# Altium PCB UCL-CPUM-H7-1.PcbDoc (part 2 of 3)
Units mm, origin at the board's own origin, x right, y up, seen from the top; angles counter-clockwise.
Board outline 42 x 53 mm, 6 copper layers (Top Layer, L2_GND, L3_VCC, L4_Sig, L5_GND, Bottom Layer), stack 1.657 mm thick; 102 components, 182 nets, 509 pads, 278 vias.
Unrouted connection lines stored in the file: 34.
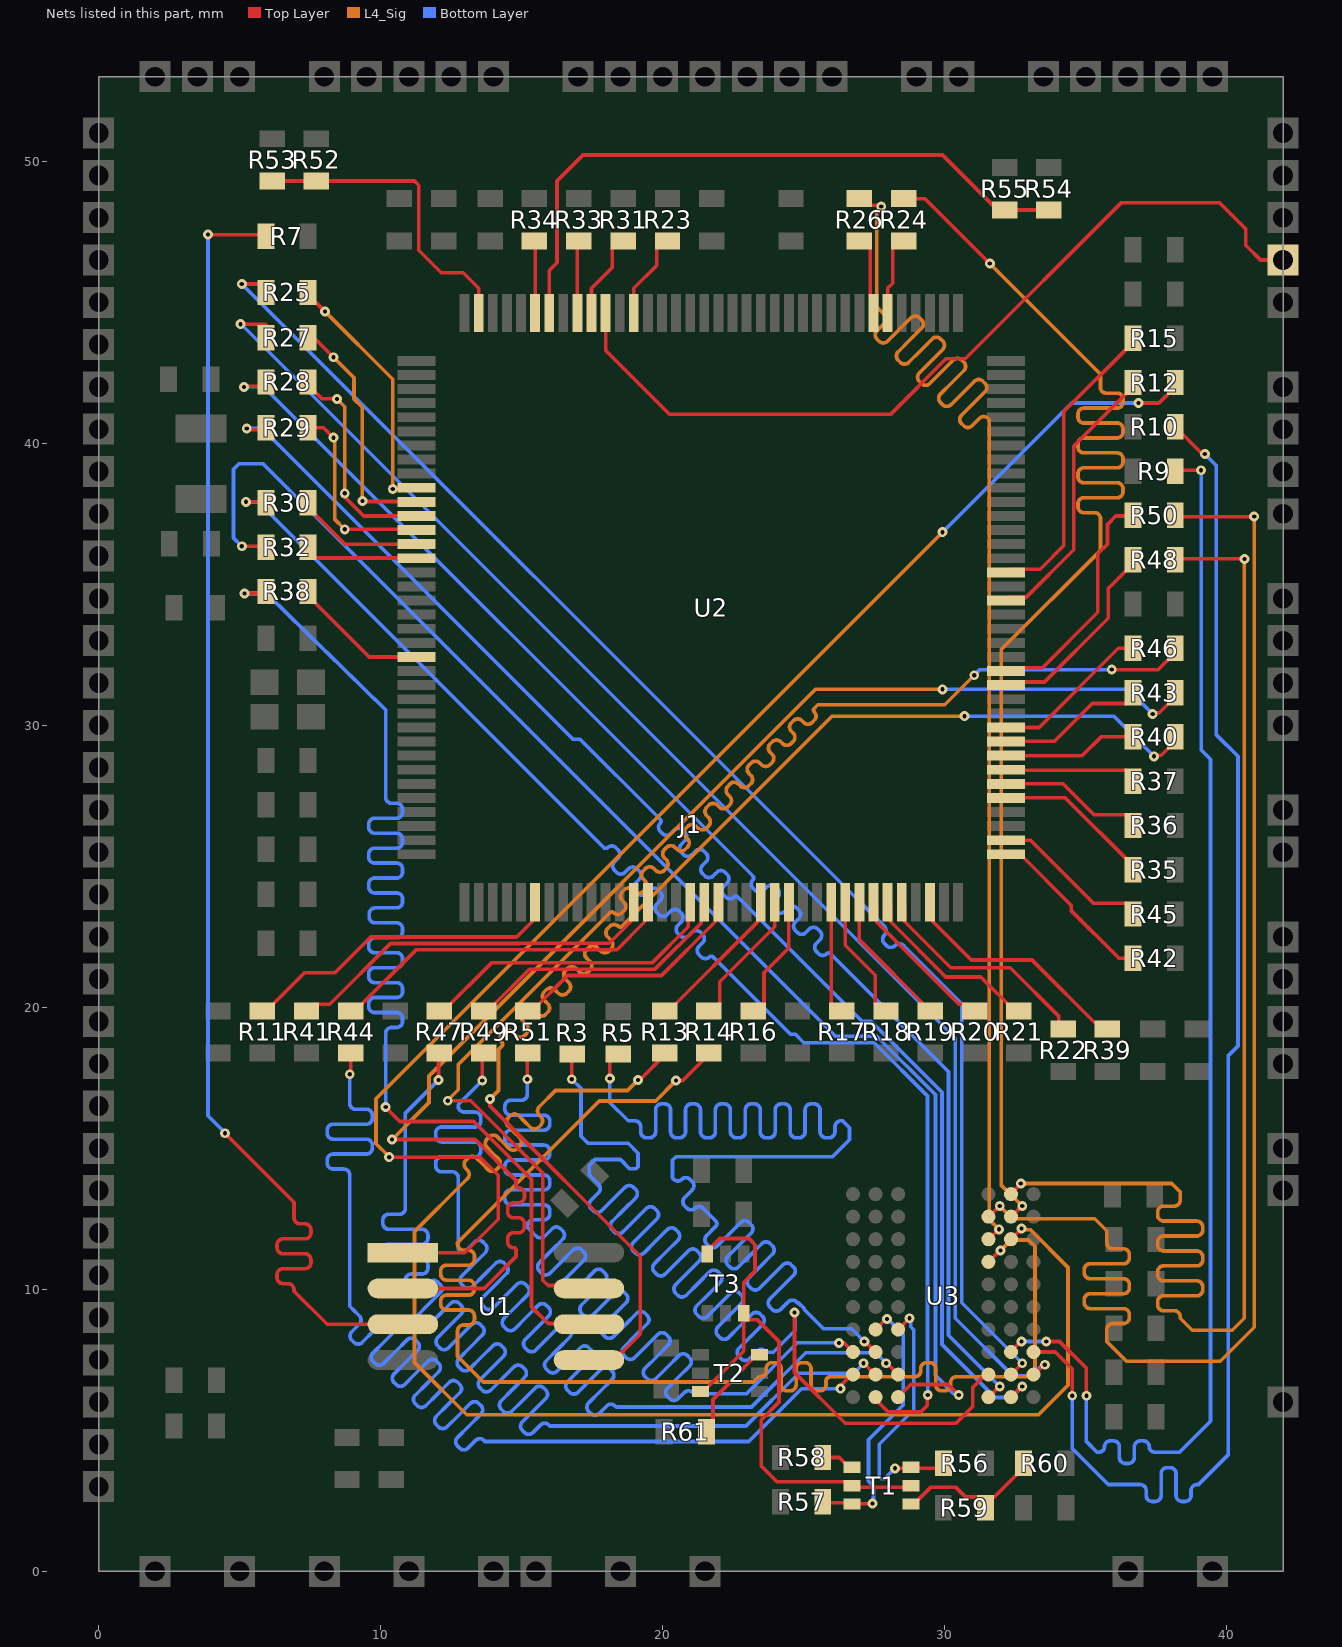
[diagram p6: the nets of this part, all layers, seen from the top]

## Via types
v1: diameter 0.35, hole 0.15, Top Layer to Bottom Layer, 276 vias
v2: diameter 0.8, hole 0.4, Top Layer to Bottom Layer, 2 vias

## Nets (pads, with @x,y where several pads share a name; then routed paths per layer and width w, separated by ;. In a path a pad name is that pad's centre, name@x,y a point inside that pad or via, vN(x,y) a via of type N, cw(c..) or ccw(c..) an arc to the next point about the centre after c; other vN are vias at no path point) (continued)
NetR11_2: R11.2 U2.42 | length 11.6
  Top Layer w0.13: R11.2@5.799,19.875 5.949,19.875 7.299,21.225 8.375,21.225 9.645,22.495 14.794,22.495 14.799,22.5 14.833,22.5 15.365,23.032 15.365,23.615 U2.42@15.475,23.725
NetR12_1: R12.1 U2.91 | length 10
  Top Layer w0.13: U2.91@32.175,34.425 32.15,34.425 32.26,34.535 32.885,34.535 34.575,36.225 34.575,39.906 36.675,42.006 R12.1@36.675,42.156
NetR13_2: R13.2 U2.58 | length 5.3
  Top Layer w0.13: R13.2@20.068,19.875 20.218,19.875 23.365,23.022 23.365,23.615 U2.58@23.475,23.725
NetR14_2: R14.2 U2.59 | length 4.9
  Top Layer w0.13: R14.2@21.638,19.875 21.788,19.875 22.023,20.11 22.023,20.903 23.975,22.855 U2.59@23.975,23.725
NetR15_1: R15.1 U2.93 | length 10.8
  Top Layer w0.13: U2.93@32.175,35.425 32.285,35.535 33.385,35.535 34.225,36.375 34.225,41.126 36.675,43.576 R15.1@36.675,43.726
NetR16_2: R16.2 U2.60 | length 4.5
  Top Layer w0.13: R16.2@23.208,19.875 23.358,19.875 23.593,20.11 23.593,21.227 24.475,22.108 U2.60@24.475,23.725
NetR17_2: R17.2 U2.63 | length 4.1
  Top Layer w0.13: U2.63@25.975,23.725 25.975,20.11 26.26,19.825 26.325,19.825 26.349,19.849 R17.2@26.349,19.875
NetR18_2: R18.2 U2.64 | length 4.5
  Top Layer w0.13: U2.64@26.475,23.725 26.475,22.197 27.534,21.138 27.534,20.11 27.769,19.875 R18.2@27.919,19.875
NetR19_2: R19.2 U2.65 | length 4.9
  Top Layer w0.13: U2.65@26.975,23.725 26.975,22.389 R19.2@29.489,19.875
NetR20_2: R20.2 U2.66 | length 5.6
  Top Layer w0.13: U2.66@27.475,23.725 27.585,23.615 27.585,23.032 30.507,20.11 30.824,20.11 R20.2@31.059,19.875 31.059,19.909 R20.2@31.125,19.975
NetR21_2: R21.2 U2.67 | length 6.6
  Top Layer w0.13: U2.67@27.975,23.725 28.085,23.615 28.085,23.032 30.042,21.075 31.28,21.075 32.48,19.875 R21.2@32.63,19.875
NetR22_2: R22.2 U2.68 | length 8.1
  Top Layer w0.13: U2.68@28.475,23.725 28.585,23.615 28.585,23.032 30.217,21.4 32.325,21.4 34.05,19.675 34.05,19.375 R22.2@34.2,19.225
NetR23_1: R23.1 U2.132 | length 3.1
  Top Layer w0.13: U2.132@18.975,44.625 18.975,45.495 19.785,46.305 19.785,46.94 20.02,47.175 R23.1@20.17,47.175
NetR24_1: R24.1 U2.114 | length 2.9
  Top Layer w0.13: U2.114@27.975,44.625 27.975,45.495 28.16,45.68 28.16,46.94 28.395,47.175 R24.1@28.545,47.175
NetR25_2: R25.2 U2.10 | length 9.3
  Top Layer w0.13: R25.2@7.375,45.35 7.35,45.35 7.275,45.275 7.425,45.275 v1(8.025,44.675) ; v1(10.425,38.375) 10.475,38.425 U2.10@11.275,38.425
  L4_Sig w0.13: v1(8.025,44.675) 10.425,42.275 v1(10.425,38.375)
NetR26_1: R26.1 U2.115 | length 2.8
  Top Layer w0.13: R26.1@26.975,47.175 27.125,47.175 27.36,46.94 27.36,45.24 27.475,45.125 U2.115@27.475,44.625
NetR27_2: R27.2 U2.11 | length 8.6
  Top Layer w0.13: R27.2@7.45,43.75 7.625,43.75 v1(8.325,43.05) ; v1(9.35,37.95) 9.363,37.937 11.263,37.937 U2.11@11.275,37.925
  L4_Sig w0.13: v1(8.325,43.05) 9.05,42.325 9.05,41.575 9.35,41.275 v1(9.35,37.95)
NetR28_2: R28.2 U2.12 | length 7.7
  Top Layer w0.13: R28.2@7.475,42.175 7.475,42.025 7.925,41.575 v1(8.45,41.575) ; v1(8.725,38.225) 8.725,38.094 9.394,37.425 U2.12@11.275,37.425
  L4_Sig w0.13: v1(8.45,41.575) 8.725,41.3 v1(8.725,38.225)
NetR29_2: R29.2 U2.13 | length 7
  Top Layer w0.13: R29.2@7.5,40.55 7.975,40.55 v1(8.325,40.2) ; v1(8.725,36.95) 11.25,36.95 U2.13@11.275,36.925
  L4_Sig w0.13: v1(8.325,40.2) 8.35,40.2 v1@8.367,40.217 ; v1@8.375,40.225 v1@8.367,40.217 ; v1(8.725,36.95) 8.375,37.3 8.375,40.09 8.367,40.098 v1@8.367,40.217
NetR30_2: R30.2 U2.14 | length 4.5
  Top Layer w0.13: R30.2@7.425,37.886 7.425,37.736 8.736,36.425 U2.14@11.275,36.425
NetR31_2: R31.2 U2.135 | length 3.1
  Top Layer w0.13: U2.135@17.475,44.625 17.475,45.495 18.215,46.235 18.215,46.94 18.45,47.175 R31.2@18.6,47.175
NetR32_2: R32.2 U2.15 | length 4.1
  Top Layer w0.13: R32.2@7.45,36.316 7.45,36.166 7.685,35.931 11.27,35.931 U2.15@11.275,35.925
NetR33_2: R33.2 U2.136 | length 2.6
  Top Layer w0.13: U2.136@16.975,44.625 16.975,47.13 R33.2@17.02,47.175
NetR34_2: R34.2 U2.139 | length 2.6
  Top Layer w0.13: R34.2@15.45,47.175 15.475,47.175 U2.139@15.475,44.625
NetR35_1: R35.1 U2.77 | length 5.6
  Top Layer w0.13: U2.77@32.175,27.425 34.278,27.425 36.675,25.028 R35.1@36.675,24.878
NetR36_1: R36.1 U2.78 | length 5.2
  Top Layer w0.13: U2.78@32.175,27.925 34.197,27.925 35.288,26.834 36.44,26.834 36.675,26.599 R36.1@36.675,26.449
NetR37_1: R37.1 U2.79 | length 4.8
  Top Layer w0.13: U2.79@32.175,28.425 32.196,28.404 36.44,28.404 36.675,28.169 R37.1@36.675,28.019
NetR38_2: R38.2 U2.22 | length 4.9
  Top Layer w0.13: R38.2@7.425,34.745 7.425,34.595 9.595,32.425 U2.22@11.275,32.425
NetR39_2: R39.2 U2.70 | length 8.5
  Top Layer w0.13: U2.70@29.475,23.725 29.585,23.615 29.585,23.032 30.942,21.675 33.1,21.675 35.55,19.225 R39.2@35.77,19.225
NetR40_1: R40.1 U2.80 | length 4.8
  Top Layer w0.13: U2.80@32.175,28.925 34.875,28.925 35.539,29.589 R40.1@36.675,29.589
NetR41_2: R41.2 U2.49 | length 13.5
  Top Layer w0.13: R41.2@7.369,19.875 7.604,20.11 8.191,20.11 10.346,22.265 14.889,22.265 14.894,22.27 16.139,22.27 16.144,22.275 18.108,22.275 18.865,23.032 18.865,23.615 U2.49@18.975,23.725
NetR42_2: R42.2 U2.73 | length 6.1
  Top Layer w0.13: U2.73@32.175,25.425 32.675,25.425 34.483,23.618 34.483,23.435 36.18,21.738 R42.2@36.675,21.738
NetR43_1: R43.1 U2.81 | length 5.3
  Top Layer w0.13: U2.81@32.175,29.425 32.184,29.434 33.892,29.434 35.232,30.774 36.44,30.774 36.55,30.884 36.55,31.1 36.609,31.159 R43.1@36.675,31.159
NetR44_2: R44.2 U2.50 | length 12.5
  Top Layer w0.13: R44.2@8.939,19.875 9.089,19.875 11.249,22.035 14.984,22.035 14.989,22.04 16.234,22.04 16.239,22.045 18.378,22.045 19.365,23.032 19.365,23.615 U2.50@19.475,23.725
NetR45_2: R45.2 U2.74 | length 5.7
  Top Layer w0.13: U2.74@32.175,25.925 33.045,25.925 35.277,23.693 36.44,23.693 36.675,23.458 R45.2@36.675,23.308
NetR46_1: R46.1 U2.82 | length 5.7
  Top Layer w0.13: U2.82@32.175,29.925 33.35,29.925 36.155,32.73 R46.1@36.675,32.73
NetR47_2: R47.2 U2.53 | length 11
  Top Layer w0.13: R47.2@12.08,19.875 12.23,19.875 13.93,21.575 15.175,21.575 15.18,21.58 16.425,21.58 16.43,21.585 19.635,21.585 20.905,22.855 20.905,23.655 U2.53@20.975,23.725
NetR48_1: R48.1 U2.85 | length 7.2
  Top Layer w0.13: U2.85@32.275,31.4 32.25,31.425 U2.85@32.175,31.425 32.212,31.463 32.285,31.535 33.535,31.535 35.8,33.8 35.8,34.85 36.675,35.725 R48.1@36.675,35.875
NetR49_2: R49.2 U2.54 | length 9.8
  Top Layer w0.13: R49.2@13.65,19.875 13.8,19.875 15.275,21.35 16.52,21.35 16.525,21.355 19.731,21.355 21.365,22.989 21.365,23.615 U2.54@21.475,23.725
NetR50_1: R50.1 U2.86 | length 8.4
  Top Layer w0.13: U2.86@32.175,31.925 32.285,32.035 33.46,32.035 35.43,34.005 35.43,36.08 35.775,36.425 35.775,37.125 36.07,37.42 36.65,37.42 R50.1@36.675,37.445
NetR51_2: R51.2 U2.55 | length 8.7
  Top Layer w0.13: R51.2@15.22,19.875 15.37,19.875 16.62,21.125 19.958,21.125 21.865,23.032 21.865,23.615 U2.55@21.975,23.725
NetR52_1: R52.1 R53.2 U2.143 | length 11.1
  Top Layer w0.13: R53.2@6.15,49.3 R52.1@7.72,49.3 11.2,49.3 11.35,49.15 11.35,46.85 12.15,46.05 12.925,46.05 13.475,45.5 U2.143@13.475,44.625
NetR54_1: R54.1 R55.2 U2.138 | length 23.2
  Top Layer w0.13: U2.138@15.975,44.625 15.975,46.125 16.25,46.4 16.25,49.3 17.175,50.225 29.925,50.225 R55.2@31.875,48.275 ; R55.2@32.125,48.275 R54.1@33.695,48.275
NetR58_1: R58.1 T1.1 | length 1.2
  Top Layer w0.13: R58.1@25.675,4.035 26.26,4.035 26.595,3.7 T1.1@26.6,3.7
  Top Layer w0.254: T1.1@26.6,3.7 26.615,3.685 T1.1@26.71,3.685
NetR59_2: R59.2 R60.1 T1.4 | length 5.3
  Top Layer w0.13: T1.4@28.81,2.385 28.91,2.385 29.5,2.975 30.4,2.975 30.74,2.635 31.215,2.635 R59.2@31.45,2.4 ; R59.2@31.45,2.25 R59.2@31.45,2.4 ; R60.1@32.8,3.825 32.775,3.825 32.775,3.65 31.76,2.635 31.685,2.635 R59.2@31.45,2.4
NetR61_1: R61.1 T2.6 | length 3.6
  Top Layer w0.13: R61.1@21.55,4.95 21.785,5.185 21.785,6.091 22.493,6.799 22.493,6.832 23.335,7.675 T2.6@23.435,7.675
NetT1_2: T1.2 T1.5 T2.3 T3.3 T3.6 | length 20.2
  Top Layer w0.13: T2.3@21.335,6.375 21.335,6.365 21.4,6.3 21.4,6.34 22.875,7.815 T3.6@22.875,9.05 ; T3.3@21.575,11.25 21.575,11.35 22.025,11.8 23.058,11.8 23.275,11.583 23.275,10.65 22.875,10.25 T3.6@22.875,9.15 T3.6@22.875,9.05 ; T1.5@28.81,3.035 28.71,3.035 28.65,2.975 26.77,2.975 T1.2@26.71,3.035 26.575,3.17 26.28,3.17 26.275,3.175 24.05,3.175 23.5,3.725 23.5,5.375 24.125,6 24.125,8.15 23.36,8.915 23.01,8.915 T3.6@22.875,9.05
NJTRST: J1.26 U2.134 | length 30.6
  Top Layer w0.13: U2.134@17.975,44.625 17.975,43.3 20.25,41.025 28.075,41.025 30.05,43 30.725,43 36.25,48.525 39.75,48.525 40.675,47.6 40.675,47.025 41.2,46.5 J1.26@42,46.5
"QUADSPI_ BK1_IO0": R40.2 U1.5 | length 49
  Top Layer w0.13: v1(13.875,16.75) 13.875,16.5 19.2,11.175 19.2,8.405 18.285,7.49 U1.5@17.385,7.49 ; v1(37.425,28.9) 37.467,28.942 37.678,28.942 38.175,29.439 R40.2@38.175,29.589
  L4_Sig w0.13: v1(13.875,16.75) 14.175,17.05 14.175,18.5 14.3,18.625 ccw(c14.238,18.687) 14.3,18.75 cw(c14.45,18.9) 14.3,19.049 14.375,19.124 cw(c14.525,18.974) 14.675,19.124 14.737,19.062 14.799,19 ccw(c14.949,19.15) 15.099,19 15.174,19.075 ccw(c15.024,19.225) 15.174,19.375 15.112,19.437 15.05,19.499 cw(c15.2,19.649) 15.05,19.799 15.125,19.874 cw(c15.275,19.724) 15.424,19.874 15.487,19.812 15.549,19.749 ccw(c15.699,19.899) 15.849,19.749 15.924,19.824 ccw(c15.774,19.974) 15.924,20.124 15.861,20.186 15.799,20.249 cw(c15.949,20.399) 15.799,20.548 15.874,20.623 cw(c16.024,20.474) 16.174,20.623 16.236,20.561 16.298,20.499 ccw(c16.448,20.649) 16.598,20.499 16.673,20.574 ccw(c16.523,20.724) 16.673,20.874 16.611,20.936 16.549,20.998 cw(c16.699,21.148) 16.549,21.298 16.624,21.373 cw(c16.774,21.223) 16.924,21.373 16.986,21.311 17.048,21.249 ccw(c17.198,21.398) 17.348,21.249 17.423,21.323 ccw(c17.273,21.473) 17.423,21.623 17.361,21.686 17.298,21.748 cw(c17.448,21.898) 17.298,22.048 17.373,22.123 cw(c17.523,21.973) 17.673,22.123 17.735,22.06 17.797,21.998 ccw(c17.947,22.148) 18.097,21.998 18.172,22.073 ccw(c18.022,22.223) 18.172,22.373 18.11,22.435 18.048,22.497 cw(c18.198,22.647) 18.048,22.797 18.123,22.872 cw(c18.273,22.722) 18.423,22.872 ccw(c18.485,22.934) 18.547,22.872 18.712,23.038 26,30.325 v1(30.7,30.325)
  Bottom Layer w0.13: v1(30.7,30.325) 36,30.325 v1(37.425,28.9)
"QUADSPI_ BK1_IO1": R43.2 U1.2 | length 49.5
  Top Layer w0.13: v1(10.4,15.31) 13.35,15.31 14.8,13.86 14.8,13.683 ccw(c14.888,13.683) 14.888,13.595 cw(c14.888,13.383) 15.1,13.383 15.1,13.277 cw(c14.888,13.277) 14.888,13.065 14.8,13.065 14.712,13.065 ccw(c14.712,12.853) 14.5,12.853 14.5,12.747 ccw(c14.712,12.747) 14.712,12.535 14.8,12.535 14.888,12.535 cw(c14.888,12.323) 15.1,12.323 15.1,12.217 cw(c14.888,12.217) 14.888,12.005 14.8,12.005 14.712,12.005 ccw(c14.712,11.793) 14.5,11.793 14.5,11.687 ccw(c14.712,11.687) 14.712,11.475 cw(c14.712,11.387) 14.8,11.387 14.8,11.3 14.8,11.16 13.67,10.03 U1.2@10.785,10.03 ; v1(37.375,30.4) 37.417,30.442 37.608,30.442 38.175,31.009 R43.2@38.175,31.159
  L4_Sig w0.13: v1@10.4,15.325 10.415,15.325 11.71,16.62 11.71,17.566 25.419,31.275 v1(29.925,31.275)
  Bottom Layer w0.13: v1(29.925,31.275) 36.5,31.275 v1(37.375,30.4)
"QUADSPI_ BK1_IO2": R7.1 U1.3 | length 49
  Top Layer w0.13: v1(3.875,47.4) 5.87,47.4 R7.1@5.925,47.345 ; v1(4.475,15.535) 6.925,13.085 6.925,12.625 6.925,12.532 ccw(c7.137,12.532) 7.137,12.32 7.313,12.32 cw(c7.313,12.108) 7.525,12.108 7.525,12.002 cw(c7.313,12.002) 7.313,11.79 6.925,11.79 6.537,11.79 ccw(c6.537,11.578) 6.325,11.578 6.325,11.472 ccw(c6.537,11.472) 6.537,11.26 6.925,11.26 7.313,11.26 cw(c7.313,11.048) 7.525,11.048 7.525,10.942 cw(c7.313,10.942) 7.313,10.73 6.925,10.73 6.537,10.73 ccw(c6.537,10.518) 6.325,10.518 6.325,10.412 ccw(c6.537,10.412) 6.537,10.2 6.713,10.2 cw(c6.713,9.988) 6.925,9.988 6.925,9.935 8.1,8.76 U1.3@10.785,8.76
  Bottom Layer w0.13: v1(3.875,47.4) 3.875,16.15 v1@4.475,15.55
"QUADSPI_ BK1_IO3": R46.2 U1.7 | length 49.4
  Top Layer w0.13: v1(12.375,16.685) 13.19,16.685 15.75,14.125 15.75,10.325 15.94,10.135 17.281,10.135 U1.7@17.385,10.03 ; v1(35.925,31.975) 37.57,31.975 38.175,32.58 R46.2@38.175,32.73
  L4_Sig w0.13: v1@12.375,16.7 12.75,17.075 12.75,17.975 17.95,23.175 18.13,23.355 cw(c18.192,23.293) 18.254,23.355 ccw(c18.404,23.505) 18.554,23.355 18.629,23.43 ccw(c18.479,23.58) 18.629,23.73 18.567,23.792 18.564,23.795 cw(c18.714,23.945) 18.564,24.095 18.639,24.17 cw(c18.789,24.02) 18.939,24.17 18.942,24.167 19.004,24.104 ccw(c19.154,24.254) 19.304,24.104 19.379,24.179 ccw(c19.229,24.329) 19.379,24.479 19.316,24.541 19.313,24.544 cw(c19.463,24.694) 19.313,24.844 19.388,24.919 cw(c19.538,24.769) 19.688,24.919 19.691,24.916 19.753,24.854 ccw(c19.903,25.004) 20.053,24.854 20.128,24.929 ccw(c19.978,25.079) 20.128,25.229 20.066,25.291 20.063,25.294 cw(c20.213,25.444) 20.063,25.594 20.138,25.669 cw(c20.288,25.519) 20.438,25.669 20.441,25.666 20.503,25.603 ccw(c20.653,25.753) 20.803,25.603 20.878,25.678 ccw(c20.728,25.828) 20.878,25.978 20.815,26.04 20.813,26.043 cw(c20.962,26.193) 20.813,26.343 20.887,26.418 cw(c21.037,26.268) 21.187,26.418 21.19,26.415 21.252,26.353 ccw(c21.402,26.503) 21.552,26.353 21.627,26.428 ccw(c21.477,26.578) 21.627,26.728 21.565,26.79 21.562,26.793 cw(c21.712,26.943) 21.562,27.093 21.637,27.168 cw(c21.787,27.018) 21.937,27.168 21.94,27.165 22.002,27.103 ccw(c22.152,27.252) 22.302,27.103 22.377,27.177 ccw(c22.227,27.327) 22.377,27.477 22.314,27.539 22.312,27.542 cw(c22.461,27.692) 22.312,27.842 22.387,27.917 cw(c22.536,27.767) 22.686,27.917 22.689,27.914 22.751,27.852 ccw(c22.901,28.002) 23.051,27.852 23.126,27.927 ccw(c22.976,28.077) 23.126,28.227 23.064,28.289 23.061,28.292 cw(c23.211,28.442) 23.061,28.592 23.136,28.667 cw(c23.286,28.517) 23.436,28.667 23.439,28.664 23.501,28.602 ccw(c23.651,28.751) 23.801,28.602 23.876,28.677 ccw(c23.726,28.826) 23.876,28.976 23.814,29.039 23.811,29.041 cw(c23.961,29.191) 23.811,29.341 23.886,29.416 cw(c24.036,29.266) 24.185,29.416 24.188,29.413 24.251,29.351 ccw(c24.4,29.501) 24.55,29.351 24.625,29.426 ccw(c24.475,29.576) 24.625,29.726 24.563,29.788 24.56,29.791 cw(c24.71,29.941) 24.56,30.091 24.635,30.166 cw(c24.785,30.016) 24.935,30.166 24.938,30.163 25,30.101 ccw(c25.15,30.251) 25.3,30.101 25.375,30.176 ccw(c25.225,30.325) 25.375,30.475 cw(c25.437,30.538) 25.375,30.6 25.5,30.725 30,30.725 v1(31.05,31.775)
  Bottom Layer w0.13: v1(31.05,31.775) 31.25,31.975 v1(35.925,31.975)
"QUADSPI_ BK1_NCS": R12.2 U1.1 | length 50.8
  Top Layer w0.13: v1(10.3,14.685) 13.525,14.685 14.165,14.045 14.165,12.488 12.977,11.3 U1.1@10.785,11.3 ; v1(36.877,41.427) 37.596,41.427 38.175,42.006 R12.2@38.175,42.156
  L4_Sig w0.13: v1@10.3,14.7 9.835,15.165 9.835,16.76 v1(29.925,36.85)
  Bottom Layer w0.13: v1(29.925,36.85) 34.502,41.427 v1(36.877,41.427)
"QUADSPI_ CLK": R38.1 U1.6 | length 49.7
  Top Layer w0.13: v1(5.173,34.673) 5.852,34.673 R38.1@5.925,34.745 ; v1(10.175,16.46) 10.175,16.45 10.675,15.95 13.3,15.95 15.35,13.9 15.35,9.375 15.94,8.785 17.361,8.785 U1.6@17.385,8.76
  Bottom Layer w0.13: v1(5.173,34.673) 5.953,34.673 10.175,30.547 10.175,27.5 10.175,27.447 ccw(c10.387,27.447) 10.387,27.235 10.563,27.235 cw(c10.563,27.023) 10.775,27.023 10.775,26.917 cw(c10.563,26.917) 10.563,26.705 10.175,26.705 9.787,26.705 ccw(c9.787,26.493) 9.575,26.493 9.575,26.387 ccw(c9.787,26.387) 9.787,26.175 10.175,26.175 10.563,26.175 cw(c10.563,25.963) 10.775,25.963 10.775,25.857 cw(c10.563,25.857) 10.563,25.645 10.175,25.645 9.787,25.645 ccw(c9.787,25.433) 9.575,25.433 9.575,25.327 ccw(c9.787,25.327) 9.787,25.115 10.175,25.115 10.563,25.115 cw(c10.563,24.903) 10.775,24.903 10.775,24.797 cw(c10.563,24.797) 10.563,24.585 10.175,24.585 9.787,24.585 ccw(c9.787,24.373) 9.575,24.373 9.575,24.267 ccw(c9.787,24.267) 9.787,24.055 10.175,24.055 10.563,24.055 cw(c10.563,23.843) 10.775,23.843 10.775,23.737 cw(c10.563,23.737) 10.563,23.525 10.175,23.525 9.804,23.525 ccw(c9.804,23.313) 9.592,23.313 9.592,23.207 ccw(c9.804,23.207) 9.804,22.995 10.175,22.995 10.563,22.995 cw(c10.563,22.783) 10.775,22.783 10.775,22.677 cw(c10.563,22.677) 10.563,22.465 10.175,22.465 9.787,22.465 ccw(c9.787,22.253) 9.575,22.253 9.575,22.147 ccw(c9.787,22.147) 9.787,21.935 10.175,21.935 10.563,21.935 cw(c10.563,21.723) 10.775,21.723 10.775,21.617 cw(c10.563,21.617) 10.563,21.405 10.175,21.405 9.787,21.405 ccw(c9.787,21.193) 9.575,21.193 9.575,21.087 ccw(c9.787,21.087) 9.787,20.875 10.175,20.875 10.563,20.875 cw(c10.563,20.663) 10.775,20.663 10.775,20.557 cw(c10.563,20.557) 10.563,20.345 10.175,20.345 9.787,20.345 ccw(c9.787,20.133) 9.575,20.133 9.575,20.027 ccw(c9.787,20.027) 9.787,19.815 10.175,19.815 10.563,19.815 cw(c10.563,19.603) 10.775,19.603 10.775,19.497 cw(c10.563,19.497) 10.563,19.285 10.385,19.285 ccw(c10.385,19.075) 10.175,19.075 v1(10.175,16.46)
SDRAM_A0: R25.1 U3.J8 | length 51.5
  Top Layer w0.13: v1(5.075,45.65) R25.1@5.75,45.65 ; U3.J8@32.35,6.975 v1(32.75,7.375)
  Bottom Layer w0.13: v1(5.075,45.65) 25.85,24.875 27.863,22.862 cw(c27.713,22.712) 27.863,22.562 27.861,22.561 ccw(c28.011,22.411) 27.861,22.261 27.936,22.186 ccw(c28.086,22.336) 28.236,22.186 28.238,22.187 cw(c28.388,22.038) 28.538,22.187 28.575,22.15 30.605,20.12 30.605,9.52 v1(32.75,7.375)
SDRAM_A1: R27.1 U3.J9 | length 51.5
  Top Layer w0.13: v1(5.025,44.225) 5.9,44.225 R27.1@5.95,44.175 ; U3.J9@33.15,6.975 33.176,6.975 33.526,7.326 v1(33.552,7.326)
  Bottom Layer w0.13: v1(5.025,44.225) 5.056,44.225 30.375,18.906 30.375,8.975 32.425,6.925 33.075,6.925 33.434,7.284 33.45,7.284 33.475,7.308 v1@33.475,7.325 ; v1@33.476,7.326 v1(33.552,7.326)
SDRAM_A2: R28.1 U3.K7 | length 51.3
  Top Layer w0.13: v1(5.15,42) 5.225,42 5.25,42.025 5.825,42.025 R28.1@5.975,42.175 ; U3.K7@31.55,6.175 31.625,6.25 31.638,6.25 31.938,6.55 v1(31.952,6.55)
  Bottom Layer w0.13: v1(5.15,42) 5.85,42 23.1,24.75 23.202,24.648 cw(c23.14,24.586) 23.202,24.524 ccw(c23.352,24.374) 23.202,24.224 23.277,24.149 ccw(c23.427,24.299) 23.577,24.149 23.639,24.211 23.701,24.273 cw(c23.851,24.123) 24.001,24.273 24.076,24.198 cw(c23.926,24.048) 24.076,23.898 24.014,23.836 23.952,23.774 ccw(c24.101,23.624) 23.952,23.474 24.027,23.399 ccw(c24.176,23.549) 24.326,23.399 24.389,23.461 24.451,23.524 cw(c24.601,23.374) 24.751,23.524 24.826,23.449 cw(c24.676,23.299) 24.826,23.149 24.763,23.087 24.701,23.024 ccw(c24.851,22.875) 24.701,22.725 24.776,22.65 ccw(c24.926,22.8) 25.076,22.65 25.138,22.712 25.2,22.774 cw(c25.35,22.624) 25.5,22.774 25.575,22.699 cw(c25.425,22.549) 25.575,22.399 25.513,22.337 25.451,22.275 ccw(c25.601,22.125) 25.451,21.975 25.526,21.9 ccw(c25.675,22.05) 25.825,21.9 cw(c25.888,21.838) 25.95,21.9 26.075,21.775 30.135,17.715 30.135,8.367 v1(31.952,6.55)
SDRAM_A3: R29.1 U3.K8 | length 51.3
  Top Layer w0.13: v1(5.25,40.525) 5.292,40.483 5.497,40.483 5.505,40.475 5.925,40.475 R29.1@6,40.55 ; U3.K8@32.35,6.175 32.725,6.55 v1(32.75,6.55)
  Bottom Layer w0.13: v1(5.25,40.525) 5.8,40.525 16.825,29.5 17.075,29.5 19.662,26.913 19.915,26.66 cw(c19.852,26.598) 19.915,26.536 ccw(c20.064,26.386) 19.915,26.236 19.989,26.161 ccw(c20.139,26.311) 20.289,26.161 20.352,26.223 20.414,26.286 cw(c20.564,26.136) 20.714,26.286 20.789,26.211 cw(c20.639,26.061) 20.789,25.911 20.726,25.849 20.664,25.786 ccw(c20.814,25.637) 20.664,25.487 20.739,25.412 ccw(c20.889,25.562) 21.039,25.412 21.101,25.474 21.163,25.536 cw(c21.313,25.386) 21.463,25.536 21.538,25.461 cw(c21.388,25.311) 21.538,25.161 21.476,25.099 21.414,25.037 ccw(c21.564,24.887) 21.414,24.737 21.489,24.662 ccw(c21.638,24.812) 21.788,24.662 21.851,24.724 21.913,24.787 cw(c22.063,24.637) 22.213,24.787 22.288,24.712 cw(c22.138,24.562) 22.288,24.412 22.225,24.35 22.163,24.287 ccw(c22.313,24.138) 22.163,23.988 22.238,23.913 ccw(c22.388,24.063) 22.538,23.913 cw(c22.6,23.85) 22.662,23.913 22.788,23.788 27.075,19.5 27.395,19.5 29.905,16.99 29.905,8.039 31.784,6.16 32.36,6.16 v1(32.75,6.55)
SDRAM_A4: R30.1 U3.K2 | length 50.9
  Top Layer w0.13: v1(5.225,37.925) 5.886,37.925 R30.1@5.925,37.886 ; U3.K2@27.55,6.175 27.55,6.1 28,5.65 29.15,5.65 29.38,5.88 29.38,6.23 v1(29.4,6.25)
  Bottom Layer w0.13: v1(5.225,37.925) 5.65,37.925 17.775,25.8 17.915,25.66 ccw(c17.977,25.722) 18.04,25.66 cw(c18.19,25.51) 18.339,25.66 18.414,25.585 cw(c18.265,25.435) 18.414,25.285 18.352,25.223 18.29,25.161 ccw(c18.44,25.011) 18.29,24.861 18.365,24.786 ccw(c18.515,24.936) 18.665,24.786 18.727,24.848 18.789,24.91 cw(c18.939,24.76) 19.089,24.91 19.164,24.835 cw(c19.014,24.685) 19.164,24.535 19.102,24.473 19.04,24.411 ccw(c19.189,24.261) 19.04,24.111 19.114,24.036 ccw(c19.264,24.186) 19.414,24.036 19.477,24.098 19.539,24.161 cw(c19.689,24.011) 19.839,24.161 19.914,24.086 cw(c19.764,23.936) 19.914,23.786 19.851,23.724 19.789,23.661 ccw(c19.939,23.512) 19.789,23.362 19.864,23.287 ccw(c20.014,23.437) 20.164,23.287 20.226,23.349 20.288,23.411 cw(c20.438,23.261) 20.588,23.411 20.663,23.336 cw(c20.513,23.186) 20.663,23.036 20.601,22.974 20.539,22.912 ccw(c20.688,22.762) 20.539,22.612 20.614,22.537 ccw(c20.763,22.687) 20.913,22.537 20.976,22.599 21.038,22.662 cw(c21.188,22.512) 21.338,22.662 21.413,22.587 cw(c21.263,22.437) 21.413,22.287 21.35,22.225 21.288,22.162 ccw(c21.438,22.013) 21.288,21.863 21.363,21.788 ccw(c21.513,21.938) 21.663,21.788 cw(c21.725,21.725) 21.787,21.788 21.912,21.663 24.525,19.05 24.7,19.05 25.005,18.745 27.5,18.745 29.391,16.854 29.391,7.496 29.4,7.487 v1(29.4,6.25)